# KiCad board vme-wren.kicad_pcb (continued)
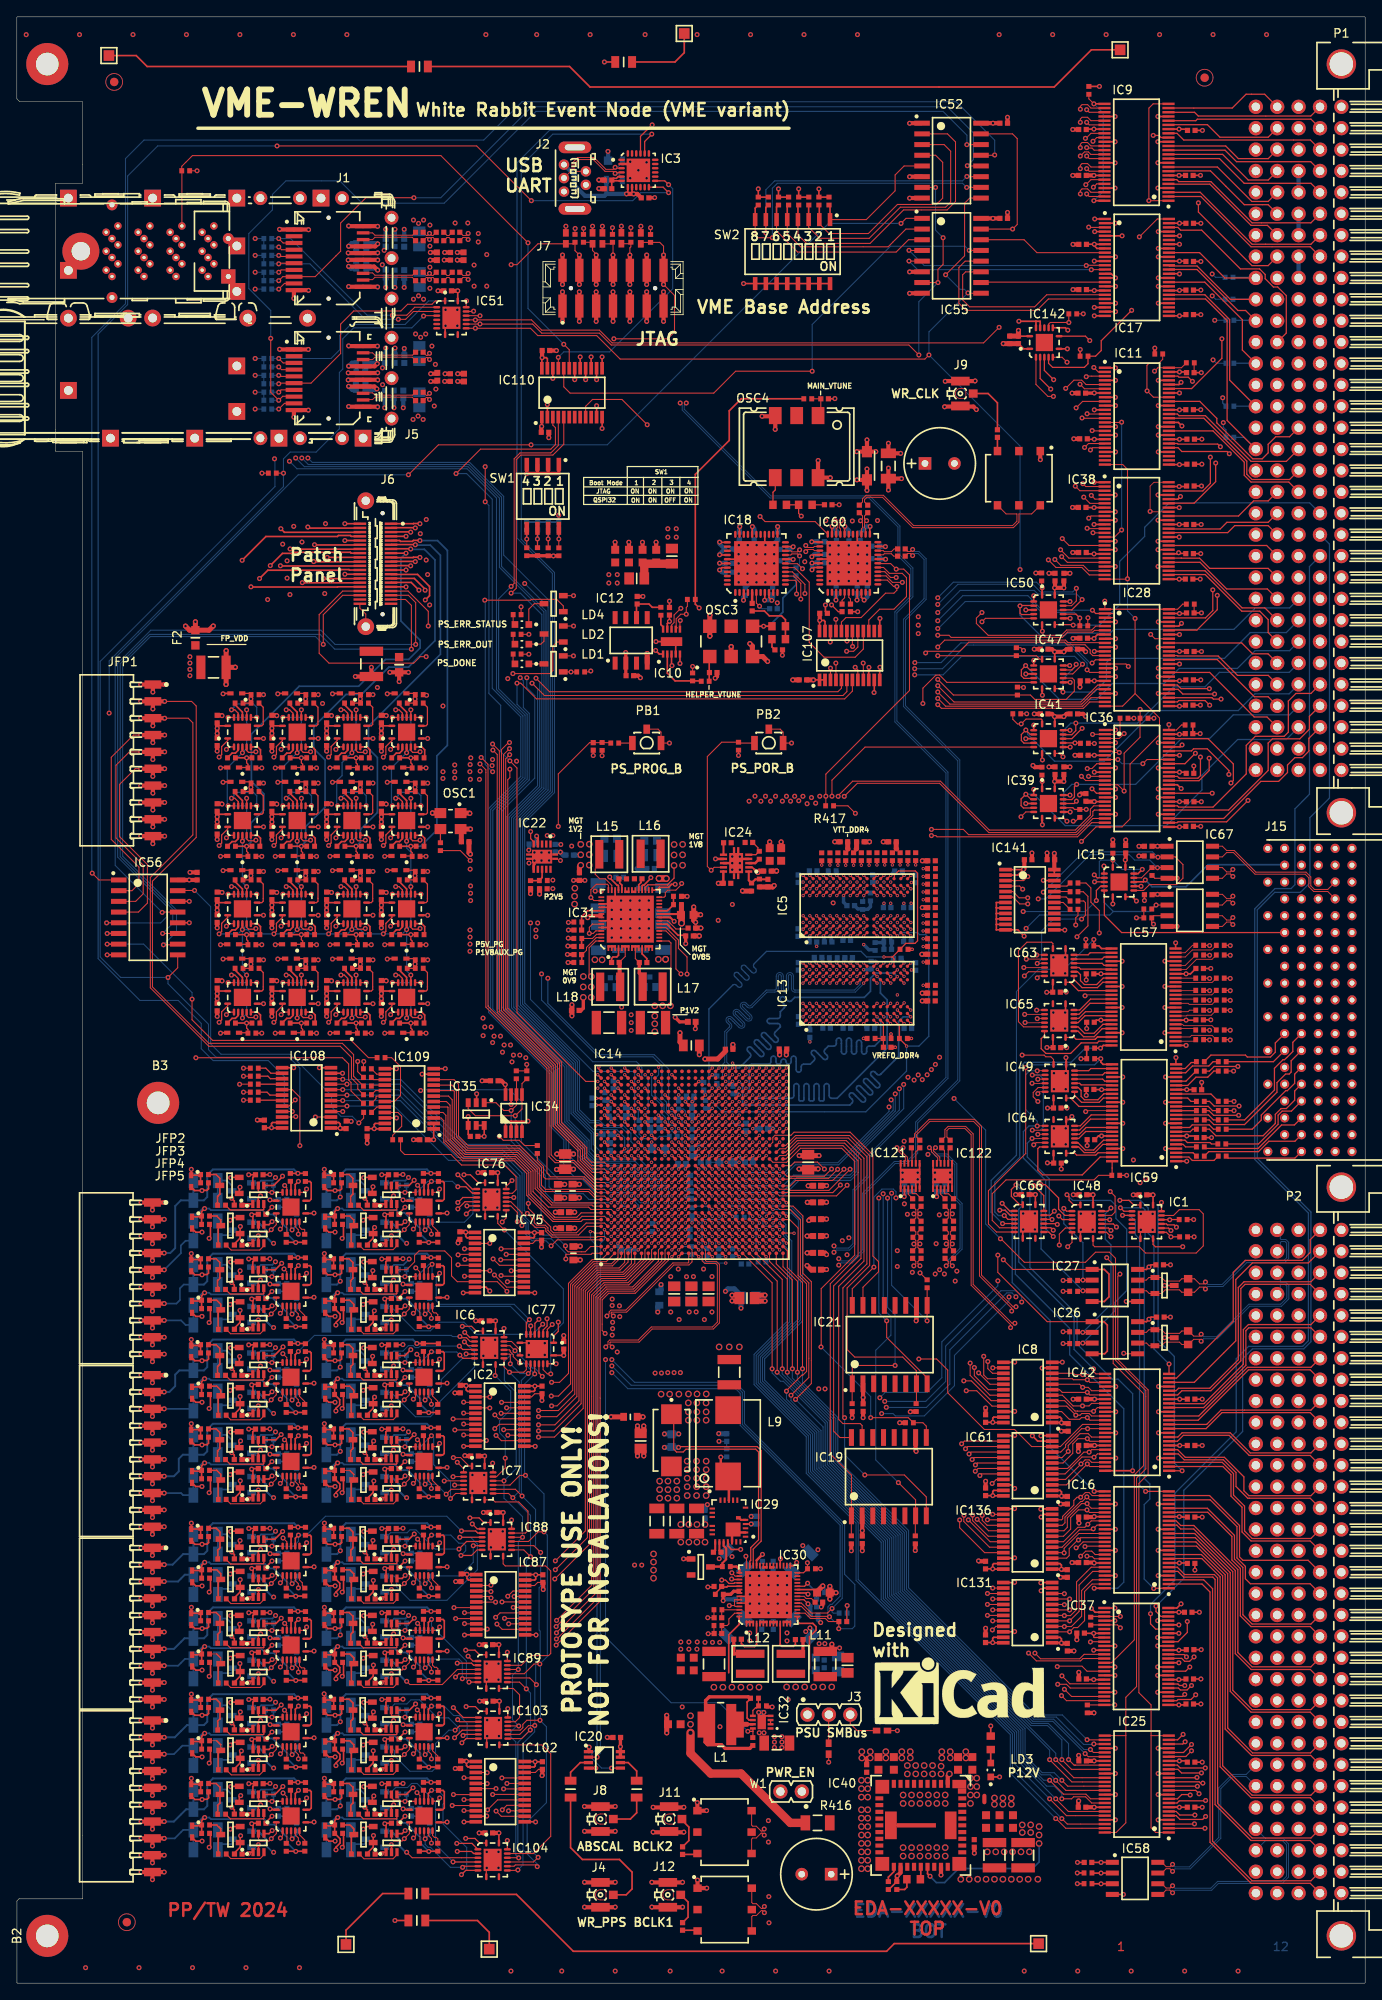
[diagram p0: board, top side]
## Library data of the parts (continued)
IC33 IC43 IC45 IC46 IC54 IC68 IC70 IC71 IC73 IC74 IC79 IC80 IC82 IC83 IC85 IC86 IC91 IC92 IC94 IC95 IC97 IC98 IC100 IC101 IC106 IC111 IC113 IC114 IC116 IC117 IC119 IC120 = -: Library Ref: 741T45; Library Path: SchLib\Standard Logic.SchLib; Comment: SN74LVC1T45DCK; Component Kind: Standard; Component Type: Standard; Device: SN74LVC1T45DCK; PackageDescription: SOT363, SC70-6, 0.65mm Pitch; 6 pin, 1.25mm W X 2.00mm L X 1.10mm H body, IPC Medium Density; Part Description: Single-Bit Dual-Supply Bus Transceiver with Configurable Voltage Translation and 3-State Outputs; Manufacturer: TEXAS INSTRUMENTS; Manufacturer Part Number: SN74LVC1T45DCK; Pin Count: 6; Case: SOT363; Mounted: Yes; Socket: No; SMD: Yes; PressFit: No; Sense: No; Bonding: No; ComponentHeight: 1.1mm; Footprint Path: PcbLib\ICs And Semiconductors SMD.PcbLib; Footprint Ref: SOT65P210X110-6N; Author: CERN DEM JLC; CreateDate: 09/27/10 00:00:00; LatestRevisionDate: 09/27/10 00:00:00; Database Table Name: ICs And Semiconductors; Library Name: Standard Logic; Footprint Library: ICs And Semiconductors SMD; License: CC-BY-SA 4.0
IC34 = -: Author: CERN DEM JMW; Bonding: No; Case: MSOP8; Comment: 24AA64T-I/MS; Component Kind: Standard; Component Type: Standard; ComponentHeight: 1.1mm; CreateDate: 02/21/14 00:00:00; Database Table Name: ICs And Semiconductors; Device: 24AA64T-I/MS; Footprint Library: ICs And Semiconductors SMD; Footprint Path: PcbLib\ICs And Semiconductors SMD.PcbLib; Footprint Ref: SOP65P490X110-8N; LatestRevisionDate: 02/21/14 00:00:00; Library Name: Logic; Library Path: SchLib\Logic.SchLib; Library Ref: 24AA64T-I/MS; License: CC-BY-SA 4.0; Manufacturer: MICROCHIP TECHNOLOGY; Manufacturer Part Number: 24AA64T-I/MS; Mounted: Yes; PackageDescription: SOP, 0.65mm pitch; 8 pin, 3.00mm W X 3.00mm L X 1.10mm H body, IPC Medium Density; Part Description: 1.7V-5.5V, 64K  (8K x 8-bit) I2C Serial EEPROM; Pin Count: 8; PressFit: No; SMD: Yes; Sense: No; Socket: No
IC35 = -: Author: CERN DEM BC; Bonding: No; Case: SOT23-6; Comment: 24AA025E48T-I/OT; Component Kind: Standard; Component Type: Standard; ComponentHeight: 1.45mm; CreateDate: 12/06/19 00:00:00; Database Table Name: ICs And Semiconductors; Device: 24AA025E48T-I/OT; Footprint Library: ICs And Semiconductors SMD; Footprint Path: PcbLib\ICs And Semiconductors SMD.PcbLib; Footprint Ref: SOT95P280X145-6N; LatestRevisionDate: 12/06/19 00:00:00; Library Name: Logic; Library Path: SchLib\Logic.SchLib; Library Ref: 24AA025E48T-I/OT; License: CC-BY-SA 4.0; Manufacturer: MICROCHIP TECHNOLOGY; Manufacturer Part Number: 24AA025E48T-I/OT; Mounted: Yes; PackageDescription: SOT, 0.95mm pitch; 6 pin, 1.60mm W X 2.90mm L X 1.45mm H body, IPC Medium Density; Part Description: 1.7V-5.5V, 2K I2C Serial EEPROM With EUI-48™ Node Identity; Cascadable; Pin Count: 6; PressFit: No; SMD: Yes; Sense: No; Socket: No
IC40 = -: SMD: Yes; Library Ref: LMZ31704; Library Path: SchLib\Regulators.SchLib; Component Kind: Standard; Component Type: Standard; PackageDescription: TEXAS Case Style B3QFN, QFN, 0.80mm Pitch, Square; 42 Pin, 10.0mm W X 10.0mm L X 4.40mm H body (w/thermal tab 5.95 X 3.19mm + 1.3 X 3.19mm ); Part Description: 4A SIMPLE SWITCHER® Power Module with 2.95V-17V Input and Current Sharing in QFN Package; Manufacturer: TEXAS INSTRUMENTS; Pin Count: 42; Case: QFN40; Mounted: Yes; Socket: No; PressFit: No; Sense: No; Bonding: No; ComponentHeight: 4.4mm; Footprint Path: PcbLib\ICs And Semiconductors SMD.PcbLib; Footprint Ref: TEXAS_RVQ (S-PB3QFN-N42); Author: CERN DEM JLC; CreateDate: 08/30/17 00:00:00; LatestRevisionDate: 08/30/17 00:00:00; Database Table Name: ICs And Semiconductors; Library Name: Regulators; Footprint Library: ICs And Semiconductors SMD; License: CC-BY-SA 4.0
IC52 IC55 IC56 = -: Library Ref: 74166; Library Path: SchLib\Standard Logic.SchLib; Component Kind: Standard; Component Type: Standard; PackageDescription: SOIC, 1.27mm Pitch; 16 Pin, 5.30mm W X 10.2mm L X 2.00mm H body, IPC Medium Density; Part Description: 8-Bit Parallel-Load  Shift Register; Manufacturer: TEXAS INSTRUMENTS; Pin Count: 16; Case: SOIC16; Mounted: Yes; Socket: No; SMD: Yes; PressFit: No; Sense: No; Bonding: No; ComponentHeight: 2mm; Footprint Path: PcbLib\ICs And Semiconductors SMD.PcbLib; Footprint Ref: SOIC127P780X200-16N; Author: CERN DEM BC; CreateDate: 04/29/20 00:00:00; LatestRevisionDate: 04/29/20 00:00:00; Database Table Name: ICs And Semiconductors; Library Name: Standard Logic; Footprint Library: ICs And Semiconductors SMD; License: CC-BY-SA 4.0
IC57 IC58 IC67 = -: Author: CERN DEM JLC; Bonding: No; Case: SOIC8; Comment: DS90LV027AQMA/NOPB; Component Kind: Standard; Component Type: Standard; ComponentHeight: 1.75mm; CreateDate: 01/11/17 00:00:00; Database Table Name: ICs And Semiconductors; Device: DS90LV027AQMA/NOPB; Footprint Library: ICs And Semiconductors SMD; Footprint Path: PcbLib\ICs And Semiconductors SMD.PcbLib; Footprint Ref: SOIC127P600X175-8N; LatestRevisionDate: 06/01/22 00:00:00; Library Name: Analog & Interface; Library Path: SchLib\Analog & Interface.SchLib; Library Ref: DS90LV027AQ; License: CC-BY-SA 4.0; Manufacturer: TEXAS INSTRUMENTS; Manufacturer Part Number: DS90LV027AQMA; Mounted: Yes; PackageDescription: SOIC 8, Pitch 1.27mm - Body 4x5mm, IPC Medium Density; Part Description: Automotive LVDS Dual Differential Driver; Part Number: REF5030AID; Pin Count: 8; PressFit: No; SMD: Yes; Sense: No; Socket: No
IC61 = -: PART NUMBER: SN74VMEH22501DGGR; COMPONENT KIND: Standard; COMPONENT TYPE: Standard; DEVICE: SN74VMEH22501DGGR; PACKAGEDESCRIPTION: SOP, 48-Leads, Body 12.6x6.2mm (max), Pitch 0.50mm, IPC Medium Density; PART DESCRIPTION: 8-Bit Universal Bus Transceiver and Two 1-Bit Bus Transceivers with 3-State Outputs; MANUFACTURER: TEXAS INSTRUMENTS; MANUFACTURER PART NUMBER: SN74VMEH22501DGGR; PIN COUNT: 48; CASE: TSSOP48; MOUNTED: Yes; SOCKET: No; SMD: Yes; COMPONENTHEIGHT: 1.2mm; AUTHOR: CERN DEM JLC; HELPURL: ~{\}cern.c~{h}df~{s}Application~{s}Altiu~{m}Datasheet~{s}SN74VMEH22501DGGR.pdf; CREATEDATE: 10/27/2009; LATESTREVISIONDATE: 10/27/2009; TABLE: Standard Logic
IC121 IC122 = -: Library Ref: LTC6957IDD-2; Library Path: SchLib\Analog & Interface.SchLib; Comment: LTC6957IDD-2; Component Kind: Standard; Component Type: Standard; Device: LTC6957IDD-2; PackageDescription: SON, 0.45mm Pitch; 12 Pin, 3.00mm W X 3.00mm L X 0.80mm H Body (w/Thermal tab 1.75 x 2.48mm), IPC Medium Density; Part Description: Low Phase Noise, Dual Output Buffer/Driver/Logic Converter, LVDS Logic Outputs; Manufacturer: LINEAR TECHNOLOGY; Manufacturer Part Number: LTC6957IDD-2; Pin Count: 13; Case: SON12; Mounted: Yes; Socket: No; SMD: Yes; PressFit: No; Sense: No; Bonding: No; ComponentHeight: 0.8mm; Footprint Path: PcbLib\ICs And Semiconductors SMD.PcbLib; Footprint Ref: SON45P300X300X80-13N-R175X248; Author: CERN DEM MR; CreateDate: 09/12/16 00:00:00; LatestRevisionDate: 02/02/22 00:00:00; Database Table Name: ICs And Semiconductors; Library Name: Analog & Interface; Footprint Library: ICs And Semiconductors SMD; License: CC-BY-SA 4.0
J1 J5 = -: SMD: Yes; Family: SFP+; Part Number: TYCO_1888247-1; Library Ref: SFP+x1; Library Path: SchLib\Connectors.SchLib; Component Kind: Standard; Component Type: Standard; Pin Count: 20; Footprint Path: PcbLib\TYCO SMD.PcbLib; Footprint Ref: TYCO_1888247-1; Mounted: Yes; Socket: No; PressFit: No; Sense: No; Status: None; Part Description: 20 Position, Pitch 0.8mm SFP+ Receptacle (Small Form-factor Pluggable); Manufacturer: TYCO ELECTRONICS; Manufacturer Part Number: 1888247-1; ComponentHeight: 5.4mm; Author: CERN DEM JLC; CreateDate: 02/27/12 00:00:00; LatestRevisionDate: 02/27/12 00:00:00; Database Table Name: Connectors; Library Name: TYCO; Footprint Library: TYCO SMD; License: CC-BY-SA 4.0
J2 = -: Author: CERN DEM JLC; Component Kind: Standard; Component Type: Standard; ComponentHeight: 7.7mm; CreateDate: 07/25/12 00:00:00; Database Table Name: Connectors; Family: USB; Footprint Library: MOLEX THD; Footprint Path: PcbLib\MOLEX THD.PcbLib; LatestRevisionDate: 07/25/12 00:00:00; Library Name: MOLEX; Library Path: SchLib\Connectors.SchLib; Library Ref: Connector USB 5 Pin + 1Shield; License: CC-BY-SA 4.0; Manufacturer: MOLEX; Manufacturer Part Number: 500075-1517; Mounted: Yes; Part Description: USB Mini-B Serie Type 2, Through Hole Straight Receptacle; Pin Count: 6; PressFit: No; SMD: No; Sense: No; Socket: No; Status: None
J3 = -: Author: CERN DEM JLC; Component Kind: Standard; Component Type: Standard; ComponentHeight: 7.87mm; CreateDate: 12/13/12 00:00:00; Database Table Name: Connectors; Family: Header 3; Footprint Library: SAMTEC THD; Footprint Path: PcbLib\SAMTEC THD.PcbLib; LatestRevisionDate: 12/13/12 00:00:00; Library Name: SAMTEC; Library Path: SchLib\Connectors.SchLib; Library Ref: Wire-Wrap Contact x3; License: CC-BY-SA 4.0; Manufacturer: SAMTEC; Manufacturer Part Number: MTLW-103-07-L-S-250; Mounted: Yes; Part Description: 3 Contacts, Pitch 2.54mm, Single Row Through Mount Straight Header (Post Lead = 6.35mm, Tail Lead 3.05mm, Insulator 1.52mm); Pin Count: 3; PressFit: No; SMD: No; Sense: No; Socket: No; Status: None
J4 J8 J9 J11 J12 = -: SMD: Yes; Comment: U.FL; Library Ref: Coax_1Male_1Shield; Library Path: SchLib\Connectors.SchLib; Component Kind: Standard; Component Type: Standard; Pin Count: 2; Footprint Path: PcbLib\Miscellaneous SMD.PcbLib; Family: U.FL; Mounted: Yes; Socket: No; PressFit: No; Sense: No; Status: None; Part Description: Up to 6GHz Ultra Small Surface Mount Male Coaxial Connectors U.FL Series; Manufacturer: HIROSE (HRS); Manufacturer Part Number: U.FL-R-SMT-1(10); ComponentHeight: 1.25mm; Author: CERN DEM JLC; CreateDate: 03/24/10 00:00:00; LatestRevisionDate: 03/24/10 00:00:00; Database Table Name: Connectors; Library Name: Miscellaneous; Footprint Library: Miscellaneous SMD; License: CC-BY-SA 4.0
J6 = -: Library Ref: Connector 40 Hermaphroditic + 1 Shield; Library Path: SchLib\Connectors.SchLib; Component Kind: Standard; Component Type: Standard; Pin Count: 40; Footprint Path: PcbLib\SAMTEC SMD.PcbLib; Footprint Ref: SAMTEC_LSHM-120-02.5-X-DV-A-S; Mounted: Yes; Socket: No; PressFit: No; Sense: No; Status: Preferred; Part Description: 40 Contacts, Pitch 0.5mm, Razor Beam™ Vertical High Speed Hermaphroditic Strip, with Shield, Lead Style-02.5; Manufacturer: SAMTEC; Manufacturer Part Number: LSHM-120-02.5-L-DV-A-S; ComponentHeight: 3.95mm; Author: CERN DEM HF; CreateDate: 07/18/22 00:00:00; LatestRevisionDate: 07/18/22 00:00:00; SMD: Yes; Database Table Name: Connectors; Library Name: SAMTEC; Footprint Library: SAMTEC SMD; License: CC-BY-SA 4.0
J7 = -: Author: CERN DEM JLC; Component Kind: Standard; Component Type: Standard; ComponentHeight: 7.6mm; CreateDate: 09/09/08 00:00:00; Database Table Name: Connectors; Family: Milli-Grid™; Footprint Library: MOLEX SMD; Footprint Path: PcbLib\MOLEX SMD.PcbLib; LatestRevisionDate: 09/09/08 00:00:00; Library Name: MOLEX; Library Path: SchLib\Connectors.SchLib; Library Ref: Connector 14 Male; License: CC-BY-SA 4.0; Manufacturer: MOLEX; Manufacturer Part Number: 87832-1420; Mounted: Yes; Part Description: 2.00mm (.079") Pitch Milli-Grid™ Header, Surface Mount, Vertical, Shrouded, 14 Circuits, with Locking Windows and Centre Polarization Slot, PCB Locator; Pin Count: 14; PressFit: No; SMD: Yes; Sense: No; Socket: No; Status: None
J13 = -: Description: Mini-SAS HD; Library Ref: Mini-SAS HD; Library Path: SchLib\Connectors.SchLib; Component Kind: Standard; Component Type: Standard; Pin Count: 36; Footprint Path: PcbLib\TYCO THD.PcbLib; Family: Mini-SAS HD; Mounted: No; Socket: No; SMD: No; PressFit: Yes; Sense: No; Status: None; Part Description: 36 Contacts, Through Hole, Right Angle, Mini-SAS High Density; Manufacturer: TYCO ELECTRONICS; Manufacturer Part Number: 2149027-1; ComponentHeight: 12.32mm; Author: CERN DEM HF; CreateDate: 08/21/23 00:00:00; LatestRevisionDate: 08/21/23 00:00:00; Database Table Name: Connectors; Library Name: TYCO; Footprint Library: TYCO THD; License: CC-BY-SA 4.0
J15 = -: Description: HAR-BUS HM Type B19; Library Ref: Connector HAR-BUS 95 Female (abcdef) + Shield (f); Library Path: SchLib\Connectors.SchLib; Component Kind: Standard; Component Type: Standard; Pin Count: 105; Footprint Path: PcbLib\HARTING THD.PcbLib; Footprint Ref: HARTING_17 25 095 2102; Family: HAR-BUS HM Type B19; Mounted: Yes; Socket: No; SMD: No; PressFit: Yes; Sense: No; Status: None; Part Description: Har-bus HM Type B19, 95 Contacts (abcde), Pitch 2mm, 3.4mm Press-in Terminations, Female Angled Connector, with Pre-installed Upper Shield (f); Manufacturer: HARTING; Manufacturer Part Number: 17 25 095 2102; ComponentHeight: 7.57mm; Author: CERN DEM JMW; CreateDate: 05/28/08 00:00:00; LatestRevisionDate: 06/18/14 00:00:00; Database Table Name: Connectors; Library Name: HARTING; Footprint Library: HARTING THD; License: CC-BY-SA 4.0; Field42: a; Field43: f; Field44: e; Field45: 1; Field46: 19; Field47: d; Field48: b; Field49: c
JFP1-JFP5 = -: Description: Socket 10; Library Ref: Connector 10 Female; Library Path: SchLib\Connectors.SchLib; Component Kind: Standard; Component Type: Standard; Pin Count: 10; Footprint Path: PcbLib\HARWIN SMD.PcbLib; Family: Socket 10; Mounted: Yes; Socket: No; SMD: Yes; PressFit: No; Sense: No; Status: None; Part Description: 10 Contacts - Pitch 2mm - Single Row Horizontal SMD Mount; Manufacturer: HARWIN; Manufacturer Part Number: M22-6541042R; ComponentHeight: 2.15mm; Author: CERN DEM HF; CreateDate: 01/29/24 00:00:00; LatestRevisionDate: 01/29/24 00:00:00; Database Table Name: Connectors; Library Name: HARWIN; Footprint Library: HARWIN SMD; License: This work is licensed under the Creative Commons CC-BY-SA 4.0 License. To the extent that circuit schematics that use Licensed Material can be considered to be ‘Adapted Material’, then the copyright holder waives article 3.b of the license with respect to these schematics.
L1 = -: Author: CERN DEM JLC; Comment: 10uH; Component Kind: Standard; Component Type: Standard; ComponentHeight: 2mm; CreateDate: 07/10/14 00:00:00; Database Table Name: Inductors & Transformers; Footprint Library: Inductors SMD; Footprint Path: PcbLib\Inductors SMD.PcbLib; Footprint Ref: IND_TDK_VLCF5020-1; LatestRevisionDate: 07/10/14 00:00:00; Library Name: Inductors SMD; Library Path: SchLib\Inductors & Transformers.SchLib; Library Ref: Inductor With Magnetic core; License: CC-BY-SA 4.0; Manufacturer: TDK; Manufacturer Part Number: VLCF5020T-100M1R1-1; Mounted: Yes; Part Description: SMD Inductor for Power Circuits (Wound/STD , Magnetic Shielded), VLCF series; Pin Count: 2; Power: 1.5A; Resistance: 0.198R; SMD: Yes; Sense: No; Socket: No; Tolerance: ±20%; Val: 10uH
L2 = -: Author: CERN DEM JLC; Case: 0805; Comment: 600R@100MHz; Component Kind: Standard; Component Type: Standard; ComponentHeight: 1.1mm; CreateDate: 05/10/10 00:00:00; Database Table Name: Inductors & Transformers; Footprint Library: Inductors SMD; Footprint Path: PcbLib\Inductors SMD.PcbLib; Footprint Ref: INDC2012X110N; LatestRevisionDate: 10/25/18 00:00:00; Library Name: Inductors SMD; Library Path: SchLib\Inductors & Transformers.SchLib; Library Ref: Ferrite Bead; License: CC-BY-SA 4.0; Manufacturer: WURTH ELEKTRONIK; Manufacturer Part Number: 742792040; Mounted: Yes; Part Description: SMD EMI Suppression Chip Ferrite Bead (WE-CBF Series); Pin Count: 2; Power: 2A; Resistance: 0.150R; SMD: Yes; Sense: No; Socket: No; Tolerance: ±25%; Val: 600R@100MHz
L3 L4 L8 L13 L14 L19 = -: SMD: Yes; Val: 220R@100MHz; Library Ref: Ferrite Bead; Library Path: SchLib\Inductors & Transformers.SchLib; Comment: 220R@100MHz; Component Kind: Standard; Component Type: Standard; Pin Count: 2; Footprint Path: PcbLib\Inductors SMD.PcbLib; Footprint Ref: INDC2012X105N; Power: 2A; Resistance: 0.05R; Tolerance: ±25%; Part Description: SMD EMIFIL Suppression Chip Ferrite Bead; Manufacturer: MURATA; Manufacturer Part Number: BLM21PG221SN1D; Case: 0805; Mounted: Yes; Socket: No; Sense: No; ComponentHeight: 1.05mm; Author: CERN DEM JLC; CreateDate: 01/25/10 00:00:00; LatestRevisionDate: 10/25/18 00:00:00; Database Table Name: Inductors & Transformers; Library Name: Inductors SMD; Footprint Library: Inductors SMD; License: CC-BY-SA 4.0
L5 L6 = -: Author: CERN DEM BC; Case: 0603; Comment: 120R@100MHz; Component Kind: Standard; Component Type: Standard; ComponentHeight: 0.95mm; CreateDate: 07/27/15 00:00:00; Database Table Name: Inductors & Transformers; Footprint Library: Inductors SMD; Footprint Path: PcbLib\Inductors SMD.PcbLib; Footprint Ref: INDC1608X95N; LatestRevisionDate: 10/25/18 00:00:00; Library Name: Inductors SMD; Library Path: SchLib\Inductors & Transformers.SchLib; Library Ref: Ferrite Bead; License: CC-BY-SA 4.0; Manufacturer: MURATA; Manufacturer Part Number: BLM18PG121SN1D; Mounted: Yes; Part Description: SMD EMIFIL Chip Ferrite Bead; Pin Count: 2; Power: 2A; Resistance: 0.05R; SMD: Yes; Sense: No; Socket: No; Val: 120R@100MHz
L7 = -: Author: CERN DEM JLC; Case: 1206; Comment: 50R@100MHz; Component Kind: Standard; Component Type: Standard; ComponentHeight: 1.3mm; CreateDate: 12/05/13 00:00:00; Database Table Name: Inductors & Transformers; Footprint Library: Inductors SMD; Footprint Path: PcbLib\Inductors SMD.PcbLib; Footprint Ref: IND_MURATA_BLM31PG; LatestRevisionDate: 10/25/18 00:00:00; Library Name: Inductors SMD; Library Path: SchLib\Inductors & Transformers.SchLib; Library Ref: Ferrite Bead; License: CC-BY-SA 4.0; Manufacturer: MURATA; Manufacturer Part Number: BLM31PG500SN1; Mounted: Yes; Part Description: SMD EMIFIL Chip Ferrite Bead; Pin Count: 2; Power: 3.5A; Resistance: 0.015R; SMD: Yes; Sense: No; Socket: No; Val: 50R@100MHz
L9 = -: Author: CERN DEM BC; Comment: 175nH; Component Kind: Standard; Component Type: Standard; ComponentHeight: 7.6mm; CreateDate: 08/07/19 00:00:00; Database Table Name: Inductors & Transformers; Footprint Library: Inductors SMD; Footprint Path: PcbLib\Inductors SMD.PcbLib; Footprint Ref: IND_PULSE_PA2607; LatestRevisionDate: 08/07/19 00:00:00; Library Name: Inductors SMD; Library Path: SchLib\Inductors & Transformers.SchLib; Library Ref: Inductor With Magnetic core 1Dot; License: CC-BY-SA 4.0; Manufacturer: PULSE ELECTRONICS; Manufacturer Part Number: PA2607.181NL; Mounted: Yes; Part Description: SMT Power Inductor; Pin Count: 2; Power: 62A; Resistance: 0.00029R; SMD: Yes; Sense: No; Socket: No; Tolerance: ±15%; Val: 175nH
L11 L12 = -: Author: CERN DEM BC; Comment: 3.3uH; Component Kind: Standard; Component Type: Standard; ComponentHeight: 3.1mm; CreateDate: 08/07/19 00:00:00; Database Table Name: Inductors & Transformers; Footprint Library: Inductors SMD; Footprint Path: PcbLib\Inductors SMD.PcbLib; Footprint Ref: IND_COILCRAFT_XAL4030; LatestRevisionDate: 08/07/19 00:00:00; Library Name: Inductors SMD; Library Path: SchLib\Inductors & Transformers.SchLib; Library Ref: Inductor With Magnetic core; License: CC-BY-SA 4.0; Manufacturer: COILCRAFT; Manufacturer Part Number: XAL4030-332ME; Mounted: Yes; Part Description: SMD Shielded Power Inductor; Pin Count: 2; Power: 5A; Resistance: 0.026R; SMD: Yes; Sense: No; Socket: No; Tolerance: ±20%; Val: 3.3uH
L15 L17 L18 = -: Author: CERN DEM BC; Comment: 1.5uH; Component Kind: Standard; Component Type: Standard; ComponentHeight: 2.1mm; CreateDate: 08/07/19 00:00:00; Database Table Name: Inductors & Transformers; Footprint Library: Inductors SMD; Footprint Path: PcbLib\Inductors SMD.PcbLib; Footprint Ref: IND_COILCRAFT_XAL4020; LatestRevisionDate: 08/07/19 00:00:00; Library Name: Inductors SMD; Library Path: SchLib\Inductors & Transformers.SchLib; Library Ref: Inductor With Magnetic core; License: CC-BY-SA 4.0; Manufacturer: COILCRAFT; Manufacturer Part Number: XAL4030-152ME; Mounted: Yes; Part Description: SMD Shielded Power Inductor; Pin Count: 2; Power: 5.2A; Resistance: 0.02145R; SMD: Yes; Sense: No; Socket: No; Tolerance: ±20%; Val: 1.5uH
L16 = -: Author: CERN DEM BC; Comment: 2.2uH; Component Kind: Standard; Component Type: Standard; ComponentHeight: 2.1mm; CreateDate: 08/07/19 00:00:00; Database Table Name: Inductors & Transformers; Footprint Library: Inductors SMD; Footprint Path: PcbLib\Inductors SMD.PcbLib; Footprint Ref: IND_COILCRAFT_XAL4020; LatestRevisionDate: 08/07/19 00:00:00; Library Name: Inductors SMD; Library Path: SchLib\Inductors & Transformers.SchLib; Library Ref: Inductor With Magnetic core; License: CC-BY-SA 4.0; Manufacturer: COILCRAFT; Manufacturer Part Number: XAL4030-222ME; Mounted: Yes; Part Description: SMD Shielded Power Inductor; Pin Count: 2; Power: 4A; Resistance: 0.0352R; SMD: Yes; Sense: No; Socket: No; Tolerance: ±20%; Val: 2.2uH
LD1-LD4 = -: Description: Green; SMD: Yes; Color: Green; Library Ref: LED Green 1C 2A; Library Path: SchLib\LEDs & Displays.SchLib; Component Kind: Standard; Component Type: Standard; PackageDescription: SMT Green LED, Case 0603, Body L 1.6 x W 0.8mm H 0.65mm; Part Description: SMD Green LED, Case 1.6mmX0.8mm(0603), 0.65mm Thickness; Manufacturer: KINGBRIGHT; Manufacturer Part Number: KPH-1608CGCK; Pin Count: 2; Case: 0603; Mounted: Yes; Socket: No; PressFit: No; Sense: No; Bonding: No; ComponentHeight: 0.65mm; Footprint Path: PcbLib\ICs And Semiconductors SMD.PcbLib; Author: CERN DEM JLC; CreateDate: 07/03/17 00:00:00; LatestRevisionDate: 07/03/17 00:00:00; Database Table Name: ICs And Semiconductors; Library Name: LEDs & Displays; Footprint Library: ICs And Semiconductors SMD; License: CC-BY-SA 4.0
NUT5-NUT8 = -: Description: M2.5; SMD: No; Library Ref: Nut; Library Path: SchLib\Fasteners & Fixings.SchLib; Comment: M2.5; Component Kind: Standard; Component Type: Mechanical; Pin Count: 0; Footprint Path: PcbLib\Fasteners & Fixings.PcbLib; PackageDescription: M2.5 Hexagon Nut ~{0,8d,} ISO 4032 - DIN 934, Stainless Steel A2; Mounted: Yes; Socket: No; PressFit: No; Sense: No; Status: None; Part Description: M2.5 Hexagon Nut ~{0,8d,} ISO 4032 - DIN 934, Stainless Steel A2; Manufacturer: BOSSARD; Manufacturer Part Number: BN628 Art.1241427; ComponentHeight: 2mm; Author: CERN DEM JMW; CreateDate: 12/04/15 00:00:00; LatestRevisionDate: 12/04/15 00:00:00; Database Table Name: Eletro-mechanical; Library Name: Fasteners & Fixings; Footprint Library: Fasteners & Fixings; License: CC-BY-SA 4.0
OSC1 = -: Author: CERN DEM BC; Bonding: No; Comment: 50MHz; Component Kind: Standard; Component Type: Standard; ComponentHeight: 1.2mm; CreateDate: 08/11/21 00:00:00; Database Table Name: ICs And Semiconductors; Footprint Library: ICs And Semiconductors SMD; Footprint Path: PcbLib\ICs And Semiconductors SMD.PcbLib; Footprint Ref: OSC_EPSON_SG-8018CE; LatestRevisionDate: 08/11/21 00:00:00; Library Name: Crystals & Oscillators; Library Path: SchLib\Crystals & Oscillators.SchLib; Library Ref: Oscillator 1OE 2GND 3OUT 4VCC; License: CC-BY-SA 4.0; Manufacturer: EPSON SEIKO; Manufacturer Part Number: SG-8018CE 50.0000M-TJHPA3; Mounted: Yes; PackageDescription: Oscillator, Corner Concave; 4 Pin, 2.50mm L X 3.20mm W X 1.20mm H; Part Description: 1.6 to 3.6V, ±50ppm, 15pF, -40 to 105°C, CMOS Surface Programmable Crystal Oscillator (SG-8018CE Series); Pin Count: 4; PressFit: No; SMD: Yes; Sense: No; Socket: No; Val: 50MHz
OSC3 = -: Author: CERN DEM MR; Bonding: No; Comment: 25MHz; Component Kind: Standard; Component Type: Standard; ComponentHeight: 1.6mm; CreateDate: 10/01/19 00:00:00; Database Table Name: ICs And Semiconductors; Footprint Library: ICs And Semiconductors SMD; Footprint Path: PcbLib\ICs And Semiconductors SMD.PcbLib; Footprint Ref: OSC_KYOCERA_KV7050B-C3; LatestRevisionDate: 10/01/19 00:00:00; Library Name: Crystals & Oscillators; Library Path: SchLib\Crystals & Oscillators.SchLib; Library Ref: Oscillator KYOCERA_KV7050B-C3; License: CC-BY-SA 4.0; Manufacturer: KYOCERA; Manufacturer Part Number: KV7050B25.0000C3GD00; Mounted: Yes; PackageDescription: SMD Oscillator, Side Concave; 2.54mm Pitch, 6 Pins, 5.00mm L X 7.00mm W X 1.60mm H, Crystal Kyocera; Part Description: ±50ppm, 15pF, Supply Voltage 3.3V, -40°C to +85°C, Surface Mount Crystal Oscillator VCXO, KV7050B-C3 Series; Pin Count: 6; PressFit: No; SMD: Yes; Sense: No; Socket: No; Val: 25MHz
OSC4 = -: Author: CERN DEM JMW; Bonding: No; Comment: 10MHz; Component Kind: Standard; Component Type: Standard; ComponentHeight: 6.86mm; CreateDate: 08/08/16 00:00:00; Database Table Name: ICs And Semiconductors; Footprint Library: ICs And Semiconductors SMD; Footprint Path: PcbLib\ICs And Semiconductors SMD.PcbLib; Footprint Ref: OSC_CONNOR-WINFIELD_DOT050V; LatestRevisionDate: 08/08/16 00:00:00; Library Name: Crystals & Oscillators; Library Path: SchLib\Crystals & Oscillators.SchLib; Library Ref: Oscillator 1VCO 3GND 4OUT 6VCC; License: CC-BY-SA 4.0; Manufacturer: CONNOR-WINFIELD; Manufacturer Part Number: DOT050V-010.0M; Mounted: Yes; PackageDescription: SMD VCTCXO, Side Concave, 6 Pins, 9.00mm x 14.0mm, DOT050V Series; Part Description: 3.3V, ±0.05ppm, 15pF, 0 to 70°C, LVCMOS, Precision Surface Mount VCTCXO Temperature Compensated Crystal Oscillator, DOT050V Series; Pin Count: 6; PressFit: No; SMD: Yes; Sense: No; Socket: No; Val: 10MHz